# Altium PCB MU2_M.PcbDoc (part 1 of 2) (continued)
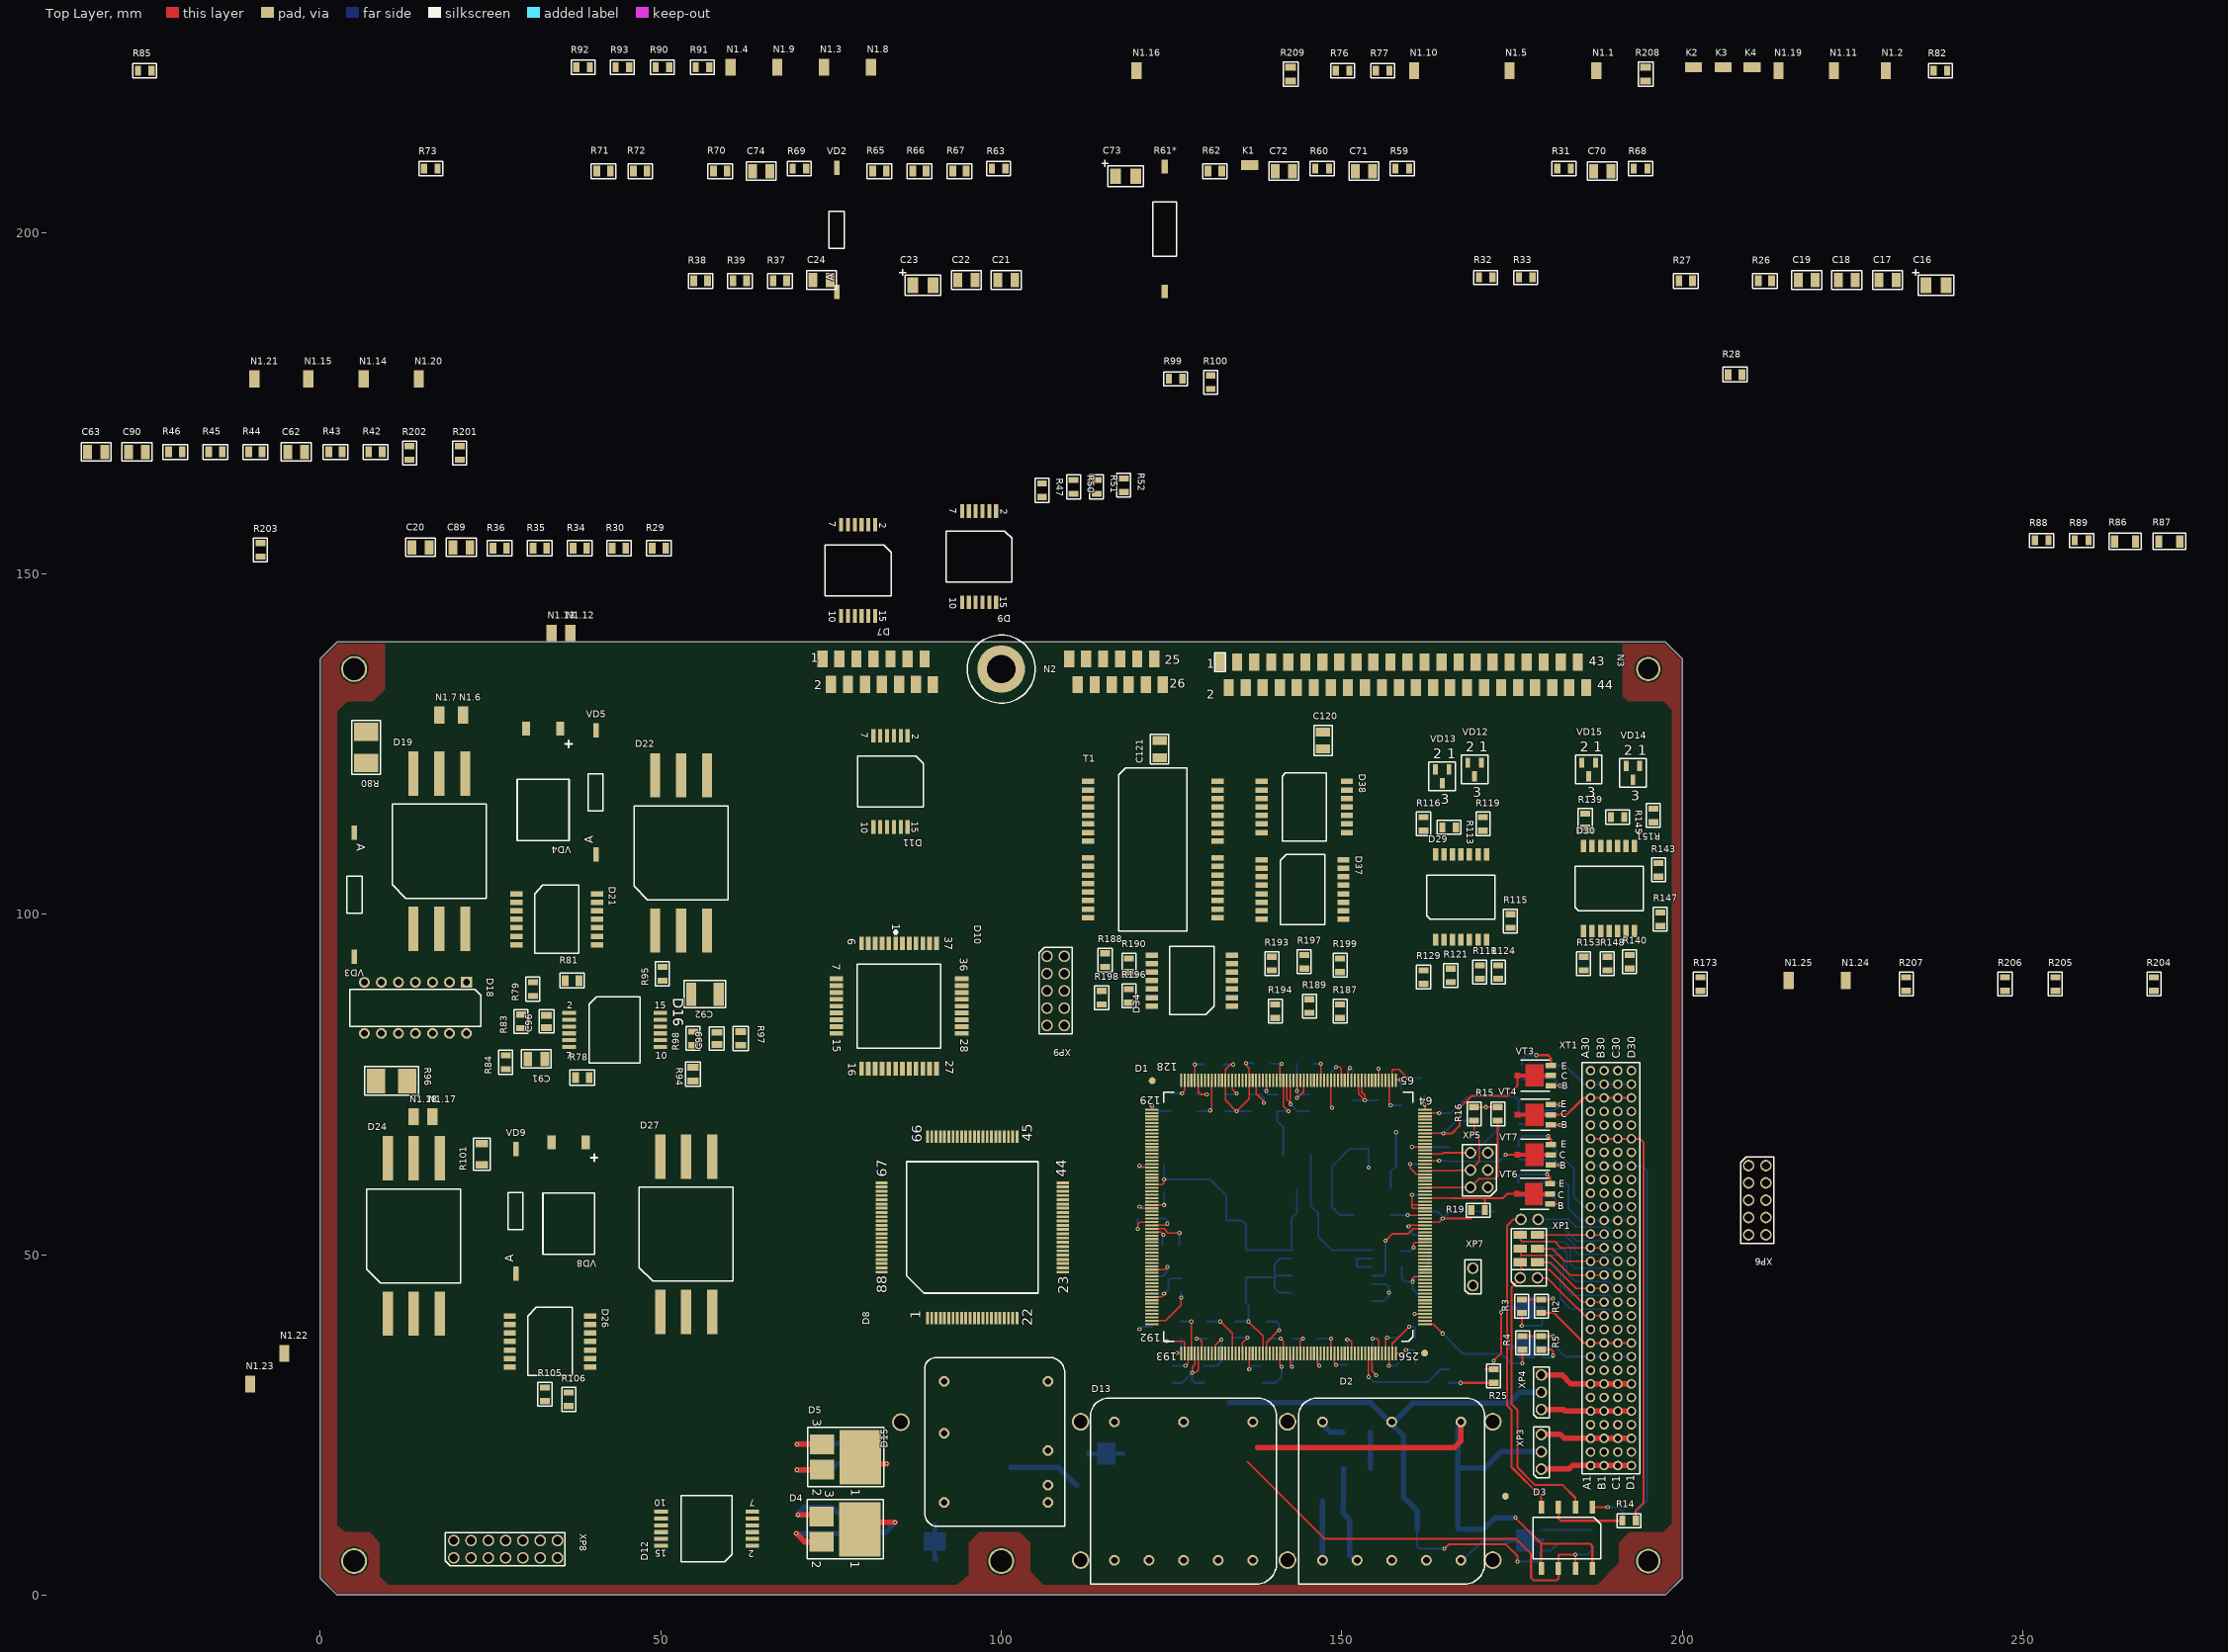
[diagram p0: Top Layer view]
## Components (designator, comment, footprint, x,y, rotation, side; value= is the part's Value field where it differs from the comment)
C1 "PartNumber" K53_56A_TYPE4 164.085,9.71 r180 bottom
C2 "PartNumber" K1047V_3 163.085,18.71 r0 bottom
C3 "PartNumber" K53_56A_TYPE2 148.675,13.8 r0 bottom
C4 "PartNumber" K1017V_5 149.175,9.05 r180 bottom
C5 "PartNumber" K1047V_1 152.3,18.55 r180 bottom
C6 "PartNumber" K1047V_1 152.175,23.925 r0 bottom
C7 "PartNumber" K53_56A_TYPE2 77.275,10.525 r90 bottom
C8 "PartNumber" K1017V_5 72.775,11.025 r270 bottom
C9 "PartNumber" K53_56A_TYPE2 81.15,10.525 r90 bottom
C10 "PartNumber" K53_56A_TYPE2 77.4,20.775 r90 bottom
C11 "PartNumber" K1017V_5 72.65,20.275 r270 bottom
C12 "PartNumber" K53_56A_TYPE2 81.275,20.775 r90 bottom
C13 "PartNumber" K1017V_5 135.925,48.8 r270 bottom
C14 "PartNumber" K1017V_6 143.425,64.675 r0 bottom
C15 "PartNumber" K1017V_5 155.975,65.55 r180 bottom
C16 "PartNumber" K53_56A_TYPE2 237.258,192.376 r0 top
C17 "PartNumber" K1017V_4 230.133,193.126 r0 top
C18 "PartNumber" K1017V_4 224.133,193.126 r0 top
C19 "PartNumber" K1017V_4 218.258,193.126 r0 top
C20 "PartNumber" K1017V_4 14.758,153.876 r0 top
C21 "PartNumber" K1017V_4 100.757,193.126 r0 top
C22 "PartNumber" K1017V_4 94.882,193.126 r0 top
C23 "PartNumber" K53_56A_TYPE2 88.507,192.376 r0 top
C24 "PartNumber" K1017V_4 73.632,193.126 r0 top
C25 "PartNumber" K1017V_4 162.8,51.675 r90 bottom
C26 "PartNumber" K1017V_4 155.3,73.925 r90 bottom
C27 "PartNumber" K1017V_4 151.675,73.925 r90 bottom
C28 "PartNumber" K1017V_4 145.175,72.3 r90 bottom
C29 "PartNumber" K1017V_4 144.675,78.05 r180 bottom
C30 "PartNumber" K1017V_4 136.675,72.3 r90 bottom
C31 "PartNumber" K1017V_4 132.8,72.3 r90 bottom
C32 "PartNumber" K1017V_4 128.675,72.3 r90 bottom
C33 "PartNumber" K1017V_4 121.3,55.3 r0 bottom
C34 "PartNumber" K1017V_4 124.925,51.425 r180 bottom
C35 "PartNumber" K1017V_4 130.3,38.925 r270 bottom
C36 "PartNumber" K1017V_4 129.8,32.425 r90 bottom
C37 "PartNumber" K1017V_4 134.425,38.925 r270 bottom
C38 "PartNumber" K1017V_4 139.05,38.925 r270 bottom
C39 "PartNumber" K1017V_4 150.8,35.05 r90 bottom
C40 "PartNumber" K1017V_4 154.55,35.05 r90 bottom
C41 "PartNumber" K1017V_4 162.925,42.55 r270 bottom
C42 "PartNumber" K1017V_4 158.8,49.425 r90 bottom
C43 "PartNumber" K1017V_4 162.8,57.55 r270 bottom
C44 "PartNumber" K1017V_4 162.3,64.55 r90 bottom
C45 "PartNumber" K1017V_4 148.425,73.925 r90 bottom
C46 "PartNumber" K1017V_4 138.3,78.05 r0 bottom
C47 "PartNumber" K1017V_4 140.55,72.3 r90 bottom
C48 "PartNumber" K1017V_4 131.425,77.925 r180 bottom
C49 "PartNumber" K1017V_4 122.675,63.05 r0 bottom
C50 "PartNumber" K1017V_4 122.675,59.175 r180 bottom
C51 "PartNumber" K1017V_4 122.05,45.55 r270 bottom
C52 "PartNumber" K1017V_4 138.425,32.425 r90 bottom
C53 "PartNumber" K1017V_4 142.8,36.425 r270 bottom
C54 "PartNumber" K1017V_4 146.425,36.425 r270 bottom
C55 "PartNumber" K1017V_4 159.55,34.05 r180 bottom
C56 "PartNumber" K1017V_4 162.175,74.55 r90 bottom
C57 "PartNumber" K1017V_4 158.675,73.175 r270 bottom
C58 "PartNumber" K1017V_4 124.925,72.425 r90 bottom
C59 "PartNumber" K1017V_4 126.425,38.925 r270 bottom
C60 "PartNumber" K1017V_4 125.175,32.425 r90 bottom
C61 "PartNumber" K1017V_4 159.55,37.8 r180 bottom
C62 "PartNumber" K1017V_4 -3.493,167.877 r0 top
C63 "PartNumber" K1017V_4 -32.869,167.877 r0 top
C64 "PartNumber" K1017V_4 89.5,116 r180 bottom
C65 "PartNumber" K1047V_3 101.5,14.75 r270 bottom
C66 "PartNumber" K1017V_4 84.25,124.5 r0 bottom
C67 "PartNumber" K1017V_4 83.75,119.75 r180 bottom
C68 "PartNumber" K1017V_5 95.75,33 r90 bottom
C69 "PartNumber" K1017V_5 95.75,24.75 r90 bottom
C70 "PartNumber" K1017V_4 188.255,209.127 r0 top
C71 "PartNumber" K1017V_4 153.255,209.127 r0 top
C72 "PartNumber" K1017V_4 141.505,209.127 r0 top
C73 "PartNumber" K53_56A_TYPE2 118.255,208.377 r0 top
C74 "PartNumber" K1017V_4 64.754,209.127 r0 top
C75 "PartNumber" K1017V_4 95.75,40 r0 bottom
C76 "PartNumber" K1017V_4 109,53.75 r90 bottom
C77 "PartNumber" K53_56A_TYPE2 95.75,44 r0 bottom
C78 "PartNumber" K1017V_4 89.75,67.25 r180 bottom
C79 "PartNumber" K53_56A_TYPE2 82.5,54 r90 bottom
C80 "PartNumber" K1017V_4 86.25,54.25 r90 bottom
C81 "PartNumber" K53_56A_TYPE2 105.25,53.5 r90 bottom
C82 "PartNumber" K1017V_4 96.25,67.25 r0 bottom
C83 "PartNumber" K53_56A_TYPE2 89.75,64 r180 bottom
C84 "PartNumber" K1017V_5 117.275,9.025 r180 bottom
C85 "PartNumber" K53_56A_TYPE3 117.75,14.75 r0 bottom
C86 "PartNumber" K1047V_3 133.65,19.9 r0 bottom
C87 "PartNumber" K1017V_5 126.525,9.275 r180 bottom
C88 "PartNumber" K53_56A_TYPE3 136.525,9.275 r180 bottom
C89 "PartNumber" K1017V_4 20.758,153.876 r0 top
C90 "PartNumber" K1017V_4 -26.869,167.877 r0 top
C91 "PartNumber" K1017V_4 31.75,78.75 r180 top
C92 "PartNumber" K1017V_5 56.5,88.25 r180 top
C93 "PartNumber" K1017V_4 19.5,86.25 r180 bottom
C94 "PartNumber" K1017V_5 10.5,77.75 r0 bottom
C95 "PartNumber" K1017V_1 13.75,86.25 r180 bottom
C96 "PartNumber" K1017V_1 33.25,84.25 r90 top
C97 "PartNumber" K1017V_4 6.5,95.25 r270 bottom
C98 "PartNumber" K1017V_1 8.75,86.5 r180 bottom
C99 "PartNumber" K1017V_1 58.25,81.75 r90 top
C100 "PartNumber" K1017V_5 163.75,97.75 r90 bottom
C102 "PartNumber" K1017V_5 163.75,112.75 r270 bottom
C104 "PartNumber" K1017V_5 170.25,97.25 r270 bottom
C106 "PartNumber" K1017V_5 170,112.5 r270 bottom
C108 "PartNumber" K1017V_5 186,111.5 r270 bottom
C110 "PartNumber" K1017V_5 193,110.75 r270 bottom
C112 "PartNumber" K1017V_5 185.75,96.25 r270 bottom
C114 "PartNumber" K1017V_5 192.25,95.75 r270 bottom
C120 "PartNumber" K1017V_4 147.25,125.5 r90 top
C121 "PartNumber" K1017V_4 123.25,124.25 r90 top
C122 "PartNumber" K1017V_4 83.5,116 r180 bottom
C123 "PartNumber" K53_56A_TYPE3 101.25,35 r270 bottom
C124 "PartNumber" K53_56A_TYPE3 102.5,25.5 r270 bottom
D1 "PartNumber" 5576XC7TFANCORT 142.175,55.55 r180 top
D2 "PartNumber" SMSA2805S 157.335,15.275 r0 top
D3 "249KP22R" 2101_8_7M 183.05,8.425 r270 top
D4 "PartNumber" 1325_KT_93 77.05,9.675 r270 top
D5 "PartNumber" 1325_KT_93 77.125,20.275 r270 top
D6 "1564TL2" 401_14_5М 148.55,46.925 r180 bottom
D7 "PartNumber" H04_16_1B 79,150.5 r270 top
D8 "PartNumber" 4235_88_1_275 95.75,54 r90 top
D9 "PartNumber" H04_16_1B 96.75,152.5 r270 top
D10 "PartNumber" H14_42_1B 85,86.5 r270 top
D11 "PartNumber" H04_16_1B 83.75,119.5 r270 top
D12 "PartNumber" H04_16_1B 56.75,9.75 r180 top
D13 "PartNumber" SMSA2805S 126.775,15.275 r0 top
D14 "PartNumber" 4153_20_06 85.5,86.25 r90 bottom
D15 "PartNumber" SLH2800S 99.25,22.5 r90 top
D16 "PartNumber" H04_16_1B 43.25,83 r0 top
D17 "PartNumber" 401_14_5М 41,83.5 r180 bottom
D18 "PartNumber" 201_14_10 14,86.25 r270 top
D19 "PartNumber" KT107 17.5,109.25 r90 top
D20 "PartNumber" KT107 15.75,109.25 r90 bottom
D21 "PartNumber" 401_14_5М 34.75,99.25 r0 top
D22 "PartNumber" KT107 53,109 r90 top
D23 "PartNumber" KT107 55.25,109 r90 bottom
D24 "PartNumber" KT107 13.75,52.75 r90 top
D25 "PartNumber" KT107 14.25,53 r90 bottom
D26 "PartNumber" 401_14_5М 33.75,37.25 r0 top
D27 "PartNumber" KT107 53.75,53 r90 top
D28 "PartNumber" KT107 52.5,53 r90 bottom
D29 "PartNumber" 1NT251A 167.5,102.5 r90 top
D30 "PartNumber" 1NT251A 189.25,103.75 r90 top
D34 "PartNumber" 401_14_5М 128,90.25 r180 top
D35 "PartNumber" 2DS627A 119,115.25 r0 bottom
D36 "PartNumber" 1NT251A 119,102.5 r180 bottom
D37 "PartNumber" 2DS627A 144.25,103.5 r0 top
D38 "PartNumber" 1NT251A 144.5,115.75 r0 top
G1 "GK108-P-3" GK108P 154.425,57.8 r90 bottom
K1 "K" K 136.505,210.002 r0 top
K2 "K" K 201.633,224.377 r0 top
K3 "K" K 206.008,224.377 r0 top
K4 "K" K 210.258,224.377 r0 top
N1.1 "K" K 187.383,223.877 r90 top
N1.2 "K" K 229.883,223.877 r90 top
N1.3 "K" K 74.005,224.377 r90 top
N1.4 "K" K 60.255,224.377 r90 top
N1.5 "K" K 174.633,223.877 r90 top
N1.6 "K" K 21,129.25 r90 top
N1.7 "K" K 17.5,129.25 r90 top
N1.8 "K" K 80.88,224.377 r90 top
N1.9 "K" K 67.13,224.377 r90 top
N1.10 "K" K 160.633,223.877 r90 top
N1.11 "K" K 222.258,223.877 r90 top
N1.12 "K" K 36.75,141.25 r90 top
N1.13 "K" K 34,141.25 r90 top
N1.14 "K" K 6.378,178.627 r90 top
N1.15 "K" K -1.747,178.627 r90 top
N1.16 "K" K 119.882,223.877 r90 top
N1.17 "K" K 16.5,70.25 r90 top
N1.18 "K" K 13.75,70.25 r90 top
N1.19 "K" K 214.133,223.877 r90 top
N1.20 "K" K 14.503,178.627 r90 top
N1.21 "K" K -9.622,178.627 r90 top
N1.22 "K" K -5.25,35.5 r90 top
N1.23 "K" K -10.25,31 r90 top
N1.24 "K" K 224.003,90.252 r90 top
N1.25 "K" K 215.628,90.252 r90 top
N2 "PartNumber" KOL26 90.25,127.5 r0 top
N3 "PartNumber" KOL44 159.025,135.15 r0 top
R1 "PartNumber" R1_112_W125 172.3,32.175 r90 bottom
R2 "PartNumber" R1_112_W125 179.3,42.425 r90 top
R3 "PartNumber" R1_112_W125 176.425,42.425 r90 top
R4 "PartNumber" R1_112_W125 176.55,37.05 r270 top
R5 "PartNumber" R1_112_W125 179.3,37.05 r270 top
R6 "PartNumber" R1_112_W125 169.55,70.675 r270 bottom
R7 "PartNumber" R1_112_W125 179.225,76.8 r270 bottom
R8 "PartNumber" R1_112_W125 176.425,76.8 r270 bottom
R9 "PartNumber" R1_112_W125 175.9,70.15 r90 bottom
R10 "PartNumber" R1_112_W125 179.05,70.175 r90 bottom
R11 "PartNumber" R1_112_W125 183.55,8.55 r90 bottom
R12 "PartNumber" R1_112_W125 186.675,8.55 r90 bottom
R13 "PartNumber" R1_112_W125 192.175,10.55 r0 bottom
R14 "PartNumber" R1_112_W125 192.175,10.925 r0 top
R15 "PartNumber" R1_112_W125 172.925,70.675 r90 top
R16 "PartNumber" R1_112_W125 169.425,70.675 r90 top
R17 "PartNumber" R1_112_W125 173.05,70.675 r90 bottom
R18 "PartNumber" R1_112_W125 144.425,59.55 r180 bottom
R19 "PartNumber" R1_112_W125 170.025,56.525 r0 top
R20 "PartNumber" R1_112_W125 179.05,59.55 r270 bottom
R21 "PartNumber" R1_112_W125 175.925,59.55 r270 bottom
R22 "PartNumber" R1_112_W125 165.675,64.8 r270 bottom
R23 "PartNumber" R1_112_W125 179.05,64.925 r270 bottom
R24 "PartNumber" R1_112_W125 175.925,64.925 r270 bottom
R25 "PartNumber" R1_112_W125 172.3,32.175 r270 top
R26 "PartNumber" R1_8MP_0W125 211.133,193.001 r0 top
R27 "PartNumber" R1_8MP_0W125 199.508,193.001 r0 top
R28 "PartNumber" R1_8MP_0W125 206.75,179.25 r0 top
R29 "PartNumber" R1_8MP_0W125 48.758,153.751 r0 top
R30 "PartNumber" R1_8MP_0W125 42.883,153.751 r0 top
R31 "PartNumber" R1_112_W125 182.63,209.502 r0 top
R32 "PartNumber" R1_112_W125 171.133,193.501 r0 top
R33 "PartNumber" R1_112_W125 177.008,193.501 r0 top
R34 "PartNumber" R1_8MP_0W125 37.133,153.751 r0 top
R35 "PartNumber" R1_8MP_0W125 31.258,153.751 r0 top
R36 "PartNumber" R1_8MP_0W125 25.383,153.751 r0 top
R37 "PartNumber" R1_8MP_0W125 66.507,193.001 r0 top
R38 "PartNumber" R1_8MP_0W125 54.882,193.001 r0 top
R39 "PartNumber" R1_8MP_0W125 60.632,193.001 r0 top
R40 "PartNumber" R1_112_W125 86.75,17 r270 bottom
R41 "PartNumber" R1_112_W125 91,17.25 r270 bottom
R42 "PartNumber" R1_8MP_0W125 7.132,167.877 r0 top
R43 "PartNumber" R1_8MP_0W125 1.257,167.877 r0 top
R44 "PartNumber" R1_8MP_0W125 -10.493,167.877 r0 top
R45 "PartNumber" R1_8MP_0W125 -16.369,167.877 r0 top
R46 "PartNumber" R1_8MP_0W125 -22.244,167.877 r0 top
R47 "PartNumber" R1_112_W125 106,162.25 r270 top
R48 "PartNumber" R1_8MP_0W125 89.5,119.25 r180 bottom
R49 "PartNumber" R1_8MP_0W125 80.5,122.5 r180 bottom
R50 "PartNumber" R1_112_W125 110.631,162.752 r270 top
R51 "PartNumber" R1_112_W125 114,162.75 r270 top
R52 "PartNumber" R1_112_W125 118,163 r270 top
R53 "PartNumber" R1_8MP_0W125 89.25,109.25 r180 bottom
R54 "PartNumber" R1_8MP_0W125 90.25,122.5 r180 bottom
R55 "PartNumber" R1_8MP_0W125 84.25,112.8 r180 bottom
R56 "PartNumber" R1_8MP_0W125 80,126.5 r180 bottom
R57 "PartNumber" R1_8MP_0W125 84,110 r180 bottom
R58 "PartNumber" R1_8MP_0W125 89.75,112.75 r180 bottom
R59 "PartNumber" R1_112_W125 158.88,209.502 r0 top
R60 "PartNumber" R1_112_W125 147.13,209.502 r0 top
R61* "PartNumber" C2_29V_0W125 124.005,200.627 r90 top
R62 "PartNumber" R1_8MP_0W125 130.38,209.127 r0 top
R63 "PartNumber" R1_112_W125 99.63,209.502 r0 top
R65 "PartNumber" R1_8MP_0W125 81.129,209.127 r0 top
R66 "PartNumber" R1_8MP_0W125 87.004,209.127 r0 top
R67 "PartNumber" R1_8MP_0W125 92.879,209.127 r0 top
R68 "PartNumber" R1_112_W125 193.88,209.502 r0 top
R69 "PartNumber" R1_112_W125 70.379,209.502 r0 top
R70 "PartNumber" R1_8MP_0W125 57.754,209.127 r0 top
R71 "PartNumber" R1_8MP_0W125 40.629,209.127 r0 top
R72 "PartNumber" R1_8MP_0W125 46.004,209.127 r0 top
R73 "PartNumber" R1_112_W125 16.254,209.502 r0 top
R74 "PartNumber" R1_112_W125 125.15,21.15 r270 bottom
R75 "PartNumber" R1_112_W125 122.025,21.15 r90 bottom
R76 "PartNumber" R1_112_W125 150.133,223.877 r0 top
R77 "PartNumber" R1_112_W125 156.008,223.877 r0 top
R78 "PartNumber" R1_8MP_0W125 37.5,76 r0 top
R79 "PartNumber" R1_112_W125 31.25,89 r90 top
R80 "PartNumber" R2_105_2W0 6.75,124.5 r270 top
R81 "PartNumber" R1_8MP_0W125 36,90.25 r0 top
R82 "PartNumber" R1_112_W125 237.883,223.877 r0 top
R83 "PartNumber" R1_112_W125 29.5,84.25 r90 top
R84 "PartNumber" R1_112_W125 27.25,78.25 r90 top
R85 "PartNumber" R1_112_W125 -25.744,223.877 r0 top
R86 "PartNumber" R1_112_W25 265.006,154.752 r0 top
R87 "PartNumber" R1_112_W25 271.506,154.752 r0 top
R88 "PartNumber" R1_112_W125 252.756,154.877 r0 top
R89 "PartNumber" R1_112_W125 258.631,154.877 r0 top
R90 "PartNumber" R1_112_W125 50.255,224.377 r0 top
R91 "PartNumber" R1_112_W125 56.13,224.377 r0 top
R92 "PartNumber" R1_112_W125 38.63,224.377 r0 top
R93 "PartNumber" R1_112_W125 44.38,224.377 r0 top
R94 "PartNumber" R1_8MP_0W125 54.75,77.5 r270 top
R95 "PartNumber" R1_112_W125 50.25,91.25 r90 top
R96 "PartNumber" R2_105_2W0 10.5,75.5 r0 top
R97 "PartNumber" R1_8MP_0W125 61.75,82.75 r270 top
R98 "PartNumber" R1_112_W125 54.75,81.75 r90 top
R99 "PartNumber" R1_112_W125 125.629,178.627 r0 top
R100 "PartNumber" R1_112_W125 130.754,178.127 r90 top
R101 "PartNumber" R1_112_W25 23.75,64.75 r90 top
R102 "PartNumber" R1_112_W25 24.25,64.75 r90 bottom
R103 "PartNumber" R1_112_W125 27.5,38.5 r90 bottom
R104 "PartNumber" R1_112_W125 40.75,38.25 r90 bottom
R105 "PartNumber" R1_112_W125 33,29.5 r90 top
R106 "PartNumber" R1_112_W125 36.5,28.75 r90 top
R107 "PartNumber" R1_112_W125 167.25,104.75 r270 bottom
R108 "PartNumber" R1_112_W125 163.25,104.25 r90 bottom
R111 "PartNumber" R1_112_W125 170.25,91.5 r90 top
R113 "PartNumber" R1_112_W125 165.75,112.75 r0 top
R115 "PartNumber" R1_112_W125 174.75,99 r90 top
R116 "PartNumber" R1_112_W125 162,113.25 r90 top
R119 "PartNumber" R1_112_W125 170.75,113.25 r90 top
R121 "PartNumber" R1_112_W125 166,91 r90 top
R123 "PartNumber" R1_112_W125 163,119 r90 bottom
R124 "PartNumber" R1_112_W125 173,91.5 r90 top
R127 "PartNumber" R1_112_W125 174,118.75 r90 bottom
R129 "PartNumber" R1_112_W125 162,90.75 r90 top
R131 "PartNumber" R1_112_W125 170.25,119.25 r90 bottom
R132 "PartNumber" R1_112_W125 166.75,119.5 r90 bottom
R135 "PartNumber" R1_112_W125 171.25,104.5 r90 bottom
R137 "PartNumber" R1_112_W125 174.5,104 r90 bottom
R139 "PartNumber" R1_112_W125 185.75,113.75 r90 top
R140 "PartNumber" R1_112_W125 192.25,93 r90 top
R143 "PartNumber" R1_112_W125 196.5,106.5 r90 top
R145 "PartNumber" R1_112_W125 190.5,114.25 r0 top
R147 "PartNumber" R1_112_W125 196.75,99.25 r90 top
R148 "PartNumber" R1_112_W125 189,92.75 r90 top
R151 "PartNumber" R1_112_W125 195.75,114.5 r270 top
R153 "PartNumber" R1_112_W125 185.5,92.75 r90 top
R155 "PartNumber" R1_112_W125 191,104 r90 bottom
R156 "PartNumber" R1_112_W125 194.25,118.25 r90 bottom
R159 "PartNumber" R1_112_W125 184,118.25 r90 bottom
R161 "PartNumber" R1_112_W125 191.25,118.5 r90 bottom
R163 "PartNumber" R1_112_W125 194.25,104 r90 bottom
R164 "PartNumber" R1_112_W125 183.75,104 r90 bottom
R167 "PartNumber" R1_112_W125 187.5,118.25 r90 bottom
R169 "PartNumber" R1_112_W125 187,104 r90 bottom
R170 "PartNumber" R1_112_W125 126.425,45.55 r90 bottom
R171 "PartNumber" R1_112_W125 122.175,38.425 r90 bottom
R172 "PartNumber" R1_112_W125 165.8,32.175 r270 bottom
R173 "PartNumber" R1_112_W125 202.628,89.752 r90 top
R187 "PartNumber" R1_112_W125 149.75,85.75 r90 top
R188 "PartNumber" R1_112_W125 115.25,93.25 r90 top
R189 "PartNumber" R1_112_W125 145.25,86.5 r90 top
R190 "PartNumber" R1_112_W125 118.75,92.5 r90 top
R191 "PartNumber" R1_112_W125 148.75,125.25 r90 bottom
R192 "PartNumber" R1_112_W125 123,123.25 r90 bottom
R193 "PartNumber" R1_112_W125 139.75,92.75 r90 top
R194 "PartNumber" R1_112_W125 140.25,85.75 r90 top
R195 "PartNumber" R1_112_W125 129,98.25 r90 bottom
R196 "PartNumber" R1_112_W125 118.75,88 r90 top
R197 "PartNumber" R1_112_W125 144.5,93 r90 top
R198 "PartNumber" R1_112_W125 114.75,87.75 r90 top
R199 "PartNumber" R1_112_W125 149.75,92.5 r90 top
R200 "PartNumber" R1_112_W125 129.25,105.5 r90 bottom
R201 "PartNumber" R1_112_W125 20.507,167.752 r90 top
R202 "PartNumber" R1_112_W125 13.132,167.752 r90 top
R203 "PartNumber" R1_112_W125 -8.75,153.5 r90 top
R204 "PartNumber" R1_112_W125 269.253,89.752 r90 top
R205 "PartNumber" R1_112_W125 254.753,89.752 r90 top
R206 "PartNumber" R1_112_W125 247.378,89.752 r90 top
R207 "PartNumber" R1_112_W125 232.878,89.752 r90 top
R208 "PartNumber" R1_8MP_0W125 194.633,222.377 r90 top
R209 "PartNumber" R1_8MP_0W125 142.508,222.377 r90 top
T1 "PartNumber" BTI9 122.25,109.5 r0 top
T2 "PartNumber" BTI9 141.25,109 r180 bottom
VD1 "2D510A" 2D510A_P 139.8,55.05 r180 bottom
VD2 "PartNumber" 2S222G 75.879,200.627 r90 top
VD3 "PartNumber" 2S222G 5,102.75 r270 top
VD4 "PartNumber" 2D212A_PL 32.75,120 r270 top
VD5 "PartNumber" 2S222G 40.5,118 r90 top
VD6 "PartNumber" 2D212A_PL 32.75,120.25 r90 bottom
VD7 "PartNumber" 2S222G 39,119.25 r90 bottom
VD8 "PartNumber" 2D212A_PL 36.5,59.25 r270 top
VD9 "PartNumber" 2S222G 28.75,56.5 r90 top
VD10 "PartNumber" 2D212A_PL 36.5,58 r270 bottom
VD11 "PartNumber" 2S222G 28,56.5 r90 bottom
VD12 "2D707AC9" 2D707AC9 169.5,121.25 r0 top
VD13 "2D707AC9" 2D707AC9 164.75,120.25 r0 top
VD14 "2D707AC9" 2D707AC9 192.75,120.75 r0 top
VD15 "2D707AC9" 2D707AC9 186.25,121.25 r0 top
VT1 "2T665A91" 2T665A91 177.175,42.175 r180 bottom
VT2 "2T665A91" 2T665A91 177.175,36.425 r180 bottom
VT3 "2T665A91" 2T665A91 178.425,76.3 r180 top
VT4 "2T665A91" 2T665A91 178.425,70.55 r180 top
VT5 "2T665A91" 2T665A91 177.05,8.05 r180 bottom
VT6 "2T665A91" 2T665A91 178.3,58.925 r180 top
VT7 "2T665A91" 2T665A91 178.425,64.675 r180 top
VT8 "2T665A91" 2T665A91 90.25,8 r270 bottom
VT9 "2T665A91" 2T665A91 115.525,20.775 r180 bottom
XP1 "PartNumber" SNP346_2_8P 177.475,49.75 r0 top
XP2 "PartNumber" SNP346_2_8P 177.575,52.025 r0 bottom
XP3 "SNP346-3VP21-1" SNP346_1_3 179.3,21.05 r90 top
XP4 "SNP346-3VP21-1" SNP346_1_3 179.3,29.8 r90 top
XP5 "SNP346-6VP21-2" SNP346_2_6 170.175,62.425 r90 top
XP6 "SNP346-10VP21" SNP346_2_10 211,58 r270 top
XP7 "PartNumber" SNP346_1_2 169.25,46.75 r90 top
XP8 "PartNumber" snp346_2_14 27.25,6.75 r0 top
XP9 "PartNumber" SNP346_2_10 108,88.75 r270 top
XT1 "SNP388-120PP21" SNP388_120 186.525,19.025 r90 top locked

## Footprints (in the part's own frame and the unit in brackets; to place one, negate y for a bottom-side part, rotate by r counter-clockwise, add the part's x,y. Pads: shape width x height; smd on the part's side, far side on the other; paste and mask are expansions set on the pad)
1NT251A [mm]
  rect 1.8x0.8 smd: 1(-6.25,3.75) 2(-6.25,2.5) 3(-6.25,1.25) 4(-6.25,0) 5(-6.25,-1.25) 6(-6.25,-2.5) 7(-6.25,-3.75) 8(6.25,-3.75) 9(6.25,-2.5) 10(6.25,-1.25) 11(6.25,0) 12(6.25,1.25) 13(6.25,2.5) 14(6.25,3.75)
  silkscreen extent -3.25,-5 3.25,5
2D212A_PL [mm]
  rect 2x1.2 smd: minus(-7.25,-2.5) plus(-7.25,2.5)
  silkscreen extent -5.5,-3.8 9.2,4.25
2D510A_P [mm]
  rect 2x0.8 smd: Minus(6.75,0) Plus(-6.75,0)
  silkscreen extent -5.63,-1 1.78,1.37
2D707AC9 [mm] "М=0,01г, пластмассовый корпус, без прокладки,ручная пайка"
  rect 0.7x1.5 smd: 1(1,1) 2(-1,1) 3(0,-1)
  silkscreen extent -1.95,-2.1 1.95,2.1
2DS627A [mm]
  rect 1.8x0.8 smd: 1(-6,4.5) 2(-6,3.25) 3(-6,2) 4(-6,0.75) 5(-6,-0.5) 6(-6,-1.75) 7(-6,-3) 8(-6,-4.25) 9(6,-4.25) 10(6,-3) 11(6,-1.75) 12(6,-0.5) 13(6,0.75) 14(6,2) 15(6,3.25) 16(6,4.5)
  silkscreen extent -3.25,-5 3.25,5.25
2S222G [mm] "m_0,2g;"
  rect 2.1x0.8 smd: A(-9.25,0) C(9,0)
  silkscreen extent -2.85,-1.05 2.6,1.15
2T665A91 [mm] "корпус 4601.3-1"
  rect 1.5x0.8 smd: B(-2.28,1.5) C(-2.28,0) E(-2.28,-1.5)
  Top Layer region: -2.63,-0.275 -0.93,-0.275 -0.93,0.275 -2.63,0.275
  Top Layer region: 0.87,-0.275 2.22,-0.28 2.22,-0.4 3,-0.4 3,0.4 2.22,0.4 2.22,0.275 0.87,0.275
  Top Layer region: -1.2,-1.6 1.4,-1.6 1.4,1.6 -1.2,1.6
  silkscreen extent -2.13,-2.3 2.12,2.3
201_14_10 [mm] "1401CA1MM"
  rect 1.6x1.6 hole 1: 1(-3.75,7.5)
  round 1.6 hole 1: 2(-3.75,5) 3(-3.75,2.5) 4(-3.75,0) 5(-3.75,-2.5) 6(-3.75,-5) 7(-3.75,-7.5) 8(3.75,-7.5) 9(3.75,-5) 10(3.75,-2.5) 11(3.75,0) 12(3.75,2.5) 13(3.75,5) 14(3.75,7.5)
  silkscreen extent -2.7,-9.6 2.7,9.6
401_14_5М [mm] "44.3209.125.08(1564ТЛ2)"
  rect 1.8x0.8 smd: 1(-5.9,3.75) 2(-5.9,2.5) 3(-5.9,1.25) 4(-5.9,0) 5(-5.9,-1.25) 6(-5.9,-2.5) 7(-5.9,-3.75) 8(5.9,-3.75) 9(5.9,-2.5) 10(5.9,-1.25) 11(5.9,0) 12(5.9,1.25) 13(5.9,2.5) 14(5.9,3.75)
  silkscreen extent -3.25,-5 3.25,5
1325_KT_93 [mm]
  rect 8x6.1 smd: 1(0,2.175)
  rect 2.9x3.5 smd: 2(1.85,-3.425) 3(-1.85,-3.425)
  silkscreen extent -4.38,-5.5 4.38,5.63
2101_8_7M [mm]
  rect 1.9x0.8 smd: 1(-4.5,3.75) 2(-4.5,1.25) 3(-4.5,-1.25) 4(-4.5,-3.75) 5(4.5,-3.75) 6(4.5,-1.25) 7(4.5,1.25) 8(4.5,3.75)
  silkscreen extent -3,-5 3.1,5
4153_20_06 [mm] "1564ИР33Т ЭП"
  rect 1.8x0.8 smd: 1(-9.5,5.625) 2(-9.5,4.375) 3(-9.5,3.125) 4(-9.5,1.875) 5(-9.5,0.625) 6(-9.5,-0.625) 7(-9.5,-1.875) 8(-9.5,-3.125) 9(-9.5,-4.375) 10(-9.5,-5.625) 11(9.5,-5.625) 12(9.5,-4.375) 13(9.5,-3.125) 14(9.5,-1.875) 15(9.5,-0.625) 16(9.5,0.625) 17(9.5,1.875) 18(9.5,3.125) 19(9.5,4.375) 20(9.5,5.625)
  silkscreen extent -6,-6.5 6,6.5
4235_88_1_275 [mm] "1874ВЕ7Т   m4.5g"
  rect 1.8x0.42 smd: 1(-13.3,6.562) 2(-13.3,5.937) 3(-13.3,5.312) 4(-13.3,4.687) 5(-13.3,4.062) 6(-13.3,3.437) 7(-13.3,2.812) 8(-13.3,2.187) 9(-13.3,1.562) 10(-13.3,0.937) 11(-13.3,0.312) 12(-13.3,-0.312) 13(-13.3,-0.937) 14(-13.3,-1.562) 15(-13.3,-2.187) 16(-13.3,-2.812) 17(-13.3,-3.437) 18(-13.3,-4.062) 19(-13.3,-4.687) 20(-13.3,-5.312) 21(-13.3,-5.937) 22(-13.3,-6.562) 45(13.3,-6.562) 46(13.3,-5.937) 47(13.3,-5.312) 48(13.3,-4.687) 49(13.3,-4.062) 50(13.3,-3.437) 51(13.3,-2.812) 52(13.3,-2.187) 53(13.3,-1.562) 54(13.3,-0.937) 55(13.3,-0.312) 56(13.3,0.312) 57(13.3,0.937) 58(13.3,1.562) 59(13.3,2.187) 60(13.3,2.812) 61(13.3,3.437) 62(13.3,4.062) 63(13.3,4.687) 64(13.3,5.312) 65(13.3,5.937) 66(13.3,6.562)
  rect 0.42x1.8 smd: 23(-6.562,-13.3) 24(-5.937,-13.3) 25(-5.312,-13.3) 26(-4.687,-13.3) 27(-4.062,-13.3) 28(-3.437,-13.3) 29(-2.812,-13.3) 30(-2.187,-13.3) 31(-1.562,-13.3) 32(-0.937,-13.3) 33(-0.312,-13.3) 34(0.312,-13.3) 35(0.937,-13.3) 36(1.562,-13.3) 37(2.187,-13.3) 38(2.812,-13.3) 39(3.437,-13.3) 40(4.062,-13.3) 41(4.687,-13.3) 42(5.312,-13.3) 43(5.937,-13.3) 44(6.562,-13.3) 67(6.562,13.3) 68(5.937,13.3) 69(5.312,13.3) 70(4.687,13.3) 71(4.062,13.3) 72(3.437,13.3) 73(2.812,13.3) 74(2.187,13.3) 75(1.562,13.3) 76(0.937,13.3) 77(0.312,13.3) 78(-0.312,13.3) 79(-0.937,13.3) 80(-1.562,13.3) 81(-2.187,13.3) 82(-2.812,13.3) 83(-3.437,13.3) 84(-4.062,13.3) 85(-4.687,13.3) 86(-5.312,13.3) 87(-5.937,13.3) 88(-6.562,13.3)
  silkscreen extent -9.65,-9.65 9.65,9.65
5576XC7TFANCORT [mm]
  round 1 smd mask+1: 0(-20,20) 0(20,-20)
  rect 2x0.3 smd: 1(-20.05,15.75) 2(-20.05,15.25) 3(-20.05,14.75) 4(-20.05,14.25) 5(-20.05,13.75) 6(-20.05,13.25) 7(-20.05,12.75) 8(-20.05,12.25) 9(-20.05,11.75) 10(-20.05,11.25) 11(-20.05,10.75) 12(-20.05,10.25) 13(-20.05,9.75) 14(-20.05,9.25) 15(-20.05,8.75) 16(-20.05,8.25) 17(-20.05,7.75) 18(-20.05,7.25) 19(-20.05,6.75) 20(-20.05,6.25) 21(-20.05,5.75) 22(-20.05,5.25) 23(-20.05,4.75) 24(-20.05,4.25) 25(-20.05,3.75) 26(-20.05,3.25) 27(-20.05,2.75) 28(-20.05,2.25) 29(-20.05,1.75) 30(-20.05,1.25) 31(-20.05,0.75) 32(-20.05,0.25) 33(-20.05,-0.25) 34(-20.05,-0.75) 35(-20.05,-1.25) 36(-20.05,-1.75) 37(-20.05,-2.25) 38(-20.05,-2.75) 39(-20.05,-3.25) 40(-20.05,-3.75) 41(-20.05,-4.25) 42(-20.05,-4.75) 43(-20.05,-5.25) 44(-20.05,-5.75) 45(-20.05,-6.25) 46(-20.05,-6.75) 47(-20.05,-7.25) 48(-20.05,-7.75) 49(-20.05,-8.25) 50(-20.05,-8.75) 51(-20.05,-9.25) 52(-20.05,-9.75) 53(-20.05,-10.25) 54(-20.05,-10.75) 55(-20.05,-11.25) 56(-20.05,-11.75) 57(-20.05,-12.25) 58(-20.05,-12.75) 59(-20.05,-13.25) 60(-20.05,-13.75) 61(-20.05,-14.25) 62(-20.05,-14.75) 63(-20.05,-15.25) 64(-20.05,-15.75) 129(20.05,-15.75) 130(20.05,-15.25) 131(20.05,-14.75) 132(20.05,-14.25) 133(20.05,-13.75) 134(20.05,-13.25) 135(20.05,-12.75) 136(20.05,-12.25) 137(20.05,-11.75) 138(20.05,-11.25) 139(20.05,-10.75) 140(20.05,-10.25) 141(20.05,-9.75) 142(20.05,-9.25) 143(20.05,-8.75) 144(20.05,-8.25) 145(20.05,-7.75) 146(20.05,-7.25) 147(20.05,-6.75) 148(20.05,-6.25) 149(20.05,-5.75) 150(20.05,-5.25) 151(20.05,-4.75) 152(20.05,-4.25) 153(20.05,-3.75) 154(20.05,-3.25) 155(20.05,-2.75) 156(20.05,-2.25) 157(20.05,-1.75) 158(20.05,-1.25) 159(20.05,-0.75) 160(20.05,-0.25) 161(20.05,0.25) 162(20.05,0.75) 163(20.05,1.25) 164(20.05,1.75) 165(20.05,2.25) 166(20.05,2.75) 167(20.05,3.25) 168(20.05,3.75) 169(20.05,4.25) 170(20.05,4.75) 171(20.05,5.25) 172(20.05,5.75) 173(20.05,6.25) 174(20.05,6.75) 175(20.05,7.25) 176(20.05,7.75) 177(20.05,8.25) 178(20.05,8.75) 179(20.05,9.25) 180(20.05,9.75) 181(20.05,10.25) 182(20.05,10.75) 183(20.05,11.25) 184(20.05,11.75) 185(20.05,12.25) 186(20.05,12.75) 187(20.05,13.25) 188(20.05,13.75) 189(20.05,14.25) 190(20.05,14.75) 191(20.05,15.25) 192(20.05,15.75)
  rect 0.3x2 smd: 65(-15.75,-20.05) 66(-15.25,-20.05) 67(-14.75,-20.05) 68(-14.25,-20.05) 69(-13.75,-20.05) 70(-13.25,-20.05) 71(-12.75,-20.05) 72(-12.25,-20.05) 73(-11.75,-20.05) 74(-11.25,-20.05) 75(-10.75,-20.05) 76(-10.25,-20.05) 77(-9.75,-20.05) 78(-9.25,-20.05) 79(-8.75,-20.05) 80(-8.25,-20.05) 81(-7.75,-20.05) 82(-7.25,-20.05) 83(-6.75,-20.05) 84(-6.25,-20.05) 85(-5.75,-20.05) 86(-5.25,-20.05) 87(-4.75,-20.05) 88(-4.25,-20.05) 89(-3.75,-20.05) 90(-3.25,-20.05) 91(-2.75,-20.05) 92(-2.25,-20.05) 93(-1.75,-20.05) 94(-1.25,-20.05) 95(-0.75,-20.05) 96(-0.25,-20.05) 97(0.25,-20.05) 98(0.75,-20.05) 99(1.25,-20.05) 100(1.75,-20.05) 101(2.25,-20.05) 102(2.75,-20.05) 103(3.25,-20.05) 104(3.75,-20.05) 105(4.25,-20.05) 106(4.75,-20.05) 107(5.25,-20.05) 108(5.75,-20.05) 109(6.25,-20.05) 110(6.75,-20.05) 111(7.25,-20.05) 112(7.75,-20.05) 113(8.25,-20.05) 114(8.75,-20.05) 115(9.25,-20.05) 116(9.75,-20.05) 117(10.25,-20.05) 118(10.75,-20.05) 119(11.25,-20.05) 120(11.75,-20.05) 121(12.25,-20.05) 122(12.75,-20.05) 123(13.25,-20.05) 124(13.75,-20.05) 125(14.25,-20.05) 126(14.75,-20.05) 127(15.25,-20.05) 128(15.75,-20.05) 193(15.75,20.05) 194(15.25,20.05) 195(14.75,20.05) 196(14.25,20.05) 197(13.75,20.05) 198(13.25,20.05) 199(12.75,20.05) 200(12.25,20.05) 201(11.75,20.05) 202(11.25,20.05) 203(10.75,20.05) 204(10.25,20.05) 205(9.75,20.05) 206(9.25,20.05) 207(8.75,20.05) 208(8.25,20.05) 209(7.75,20.05) 210(7.25,20.05) 211(6.75,20.05) 212(6.25,20.05) 213(5.75,20.05) 214(5.25,20.05) 215(4.75,20.05) 216(4.25,20.05) 217(3.75,20.05) 218(3.25,20.05) 219(2.75,20.05) 220(2.25,20.05) 221(1.75,20.05) 222(1.25,20.05) 223(0.75,20.05) 224(0.25,20.05) 225(-0.25,20.05) 226(-0.75,20.05) 227(-1.25,20.05) 228(-1.75,20.05) 229(-2.25,20.05) 230(-2.75,20.05) 231(-3.25,20.05) 232(-3.75,20.05) 233(-4.25,20.05) 234(-4.75,20.05) 235(-5.25,20.05) 236(-5.75,20.05) 237(-6.25,20.05) 238(-6.75,20.05) 239(-7.25,20.05) 240(-7.75,20.05) 241(-8.25,20.05) 242(-8.75,20.05) 243(-9.25,20.05) 244(-9.75,20.05) 245(-10.25,20.05) 246(-10.75,20.05) 247(-11.25,20.05) 248(-11.75,20.05) 249(-12.25,20.05) 250(-12.75,20.05) 251(-13.25,20.05) 252(-13.75,20.05) 253(-14.25,20.05) 254(-14.75,20.05) 255(-15.25,20.05) 256(-15.75,20.05)
  silkscreen extent -18.3,-18.31 18.3,18.29
BTI9 [mm] "inst 34 form 44.3023.193.26 massa 3 prokl -62"
  rect 1.8x0.8 smd: 1(-9.5,10) 2(-9.5,8.75) 3(-9.5,7.5) 4(-9.5,6.25) 5(-9.5,5) 6(-9.5,3.75) 7(-9.5,2.5) 8(-9.5,1.25) 9(-9.5,-1.25) 10(-9.5,-2.5) 11(-9.5,-3.75) 12(-9.5,-5) 13(-9.5,-6.25) 14(-9.5,-7.5) 15(-9.5,-8.75) 16(-9.5,-10) 17(9.5,-10) 18(9.5,-8.75) 19(9.5,-7.5) 20(9.5,-6.25) 21(9.5,-5) 22(9.5,-3.75) 23(9.5,-2.5) 24(9.5,-1.25) 25(9.5,1.25) 26(9.5,2.5) 27(9.5,3.75) 28(9.5,5) 29(9.5,6.25) 30(9.5,7.5) 31(9.5,8.75) 32(9.5,10)
  silkscreen extent -5,-12 5,12
C2_29V_0W125 [mm] "0.3"
  rect 2x0.9 smd: 1(-9.15,0) 2(9.15,0)
  silkscreen extent -4,-1.75 4,1.75
GK108P [mm]
  rect 2x2.3 smd: 1(2,-2.75) 2(2,2.75) 3(-2,2.75) 4(-2,-2.75)
  silkscreen extent -3.6,-4.82 4.06,4.35
H04_16_1B [mm] "крыло чайки ОСТ 11 073.063-84,m<1g"
  rect 2x0.6 smd: 2(-6.7,2.5) 3(-6.7,1.5) 4(-6.7,0.5) 5(-6.7,-0.5) 6(-6.7,-1.5) 7(-6.7,-2.5) 10(6.7,-2.5) 11(6.7,-1.5) 12(6.7,-0.5) 13(6.7,0.5) 14(6.7,1.5) 15(6.7,2.5)
  silkscreen extent -3.75,-4.85 3.75,4.86
H14_42_1B [mm] "Form 44и.3268.193  Install 46б massa 1.5, прокладка СЛИЮ.754141.245"
  rect 2x0.7 smd: 1(-9.2,-0.5) 2(-9.2,-1.5) 3(-9.2,-2.5) 4(-9.2,-3.5) 5(-9.2,-4.5) 6(-9.2,-5.5) 16(9.2,-5.5) 17(9.2,-4.5) 18(9.2,-3.5) 19(9.2,-2.5) 20(9.2,-1.5) 21(9.2,-0.5) 22(9.2,0.5) 23(9.2,1.5) 24(9.2,2.5) 25(9.2,3.5) 26(9.2,4.5) 27(9.2,5.5) 37(-9.2,5.5) 38(-9.2,4.5) 39(-9.2,3.5) 40(-9.2,2.5) 41(-9.2,1.5) 42(-9.2,0.5)
  rect 0.7x2 smd: 7(-4,-9.2) 8(-3,-9.2) 9(-2,-9.2) 10(-1,-9.2) 11(0,-9.2) 12(1,-9.2) 13(2,-9.2) 14(3,-9.2) 15(4,-9.2) 28(4,9.2) 29(3,9.2) 30(2,9.2) 31(1,9.2) 32(0,9.2) 33(-1,9.2) 34(-2,9.2) 35(-3,9.2) 36(-4,9.2)
  silkscreen extent -11.22,-6.15 6.15,6.15
K [mm]
  rect 2.5x1.5 smd: 1(0,0)
  body extent -1.25,-0.85 1.25,0.85, height 0.25
K53_56A_TYPE2 [mm]
  rect 1.6x2.3 smd: minus(1.5,0) plus(-1.5,0)
  silkscreen extent -3.5,-1.5 2.6,2.38
K53_56A_TYPE3 [mm]
  rect 2.4x2.3 smd: minus(2.5,0) plus(-2.5,0)
  silkscreen extent -4.87,-1.75 4,2.7
K53_56A_TYPE4 [mm]
  rect 2.4x3.3 smd: Minus(3,0) Plus(-3,0)
  silkscreen extent -4.5,-2.5 4.5,2.5
K1017V_1 [mm] "massa 0.1gr"
  rect 1x1.6 smd: 1(-0.9,0) 2(0.9,0)
  silkscreen extent -1.7,-1.1 1.7,1.1
K1017V_4 [mm]
  rect 1.3x2.1 smd: 1(-1.25,0) 2(1.25,0)
  silkscreen extent -2.2,-1.35 2.2,1.35
K1017V_5 [mm]
  rect 1.5x3.4 smd: 1(-2,0) 2(2,0)
  silkscreen extent -3.05,-2 3.05,2
K1017V_6 [mm]
  rect 1.5x3.4 smd: 1(-2,0) 2(2,0)
  silkscreen extent -3.05,-2 3.05,2
K1047V_1 [mm]
  rect 1.4x3.4 smd: 1(-2.05,0) 2(2.05,0)
  silkscreen extent -3.1,-2 3.1,2
K1047V_3 [mm] "3 type"
  rect 1.8x7 smd: 1(-4,0) 2(4,0)
  silkscreen extent -5.35,-3.95 5.35,3.95
KOL26 [mm]
  rect 1.5x2.5 smd: 1(-16.5,10) 2(-15.25,6.25) 3(-14,10) 4(-12.75,6.25) 5(-11.5,10) 6(-10.25,6.25) 7(-9,10) 8(-7.75,6.25) 9(-6.5,10) 10(-5.25,6.25) 11(-4,10) 12(-2.75,6.25) 13(-1.5,10) 14(-0.275,6.225) 15(19.725,9.975) 16(20.975,6.225) 17(22.225,9.975) 18(23.475,6.225) 19(24.725,9.975) 20(25.975,6.225) 21(27.225,9.975) 22(28.475,6.225) 23(29.725,9.975) 24(30.975,6.225) 25(32.225,9.975) 26(33.475,6.225)
KOL44 [mm]
  rect 1.5x2.5 smd: 1(-26.875,1.875) 2(-25.625,-1.875) 3(-24.375,1.875) 4(-23.125,-1.875) 5(-21.875,1.875) 6(-20.625,-1.875) 7(-19.375,1.875) 8(-18.125,-1.875) 9(-16.875,1.875) 10(-15.625,-1.875) 11(-14.375,1.875) 12(-13.125,-1.875) 13(-11.875,1.875) 14(-10.625,-1.875) 15(-9.375,1.875) 16(-8.125,-1.875) 17(-6.875,1.875) 18(-5.625,-1.875) 19(-4.375,1.875) 20(-3.125,-1.875) 21(-1.875,1.875) 22(-0.625,-1.875) 23(0.625,1.875) 24(1.875,-1.875) 25(3.125,1.875) 26(4.375,-1.875) 27(5.625,1.875) 28(6.875,-1.875) 29(8.125,1.875) 30(9.375,-1.875) 31(10.625,1.875) 32(11.875,-1.875) 33(13.125,1.875) 34(14.375,-1.875) 35(15.625,1.875) 36(16.875,-1.875) 37(18.125,1.875) 38(19.375,-1.875) 39(20.625,1.875) 40(21.875,-1.875) 41(23.125,1.875) 42(24.375,-1.875) 43(25.625,1.875) 44(26.875,-1.875)
  silkscreen extent -27.67,0.52 -26.07,3.21
KT107 [mm] "postavka_formovannaya(249КП23Т_ручная_пайка)"
  rect 6.5x1.5 smd: 1(-11.4,3.81) 2(-11.4,0) 3(-11.4,-3.81) 4(11.4,-3.81) 5(11.4,0) 6(11.4,3.81)
  silkscreen extent -6.9,-6.9 6.9,6.9
R1_8MP_0W125 [mm]
  rect 1x1.6 smd: 1(0,0) 2(2,0)
  silkscreen extent -0.8,-1.1 2.8,1.1
R1_112_W25 [mm]
  rect 1.05x1.8 smd: 1(-1.55,0) 2(1.55,0)
  silkscreen extent -2.37,-1.2 2.37,1.2
R1_112_W125 [mm]
  rect 0.9x1.45 smd: 1(-1,0) 2(1,0)
  silkscreen extent -1.75,-1.02 1.75,1.02
R2_105_2W0 [mm] "m=0.15, корпус2515"
  rect 2.7x3.6 smd: 1(-2.3,0) 2(2.3,0)
  silkscreen extent -3.95,-2.1 3.95,2.1
SLH2800S [mm] "SLH2805D/HP, dvch2800d"
  round 1.6 hole 1: 1(-8.89,-7.62) 2(-6.35,-7.62) 3(-1.27,-7.62) 4(8.89,-7.62) 5(8.89,7.62) 6(1.27,7.62) 7(-8.89,7.62)
  silkscreen extent -12.39,-10.07 12.41,10.47
SMSA2805S [mm]
  round 1.6 hole 1: 1(-10.16,-10.16) 2(-5.08,-10.16) 3(0,-10.16) 4(5.08,-10.16) 5(10.16,-10.16) 6(10.16,10.16) 7(0,10.16) 8(-10.16,10.16)
  silkscreen extent -13.66,-13.66 13.64,13.65
SNP346_1_2 [mm]
  round 1.7 hole 1.2: 1(-1.27,0) 2(1.27,0)
  silkscreen extent -2.54,-1.18 2.51,1.2
SNP346_1_3 [mm]
  round 1.7 hole 1.2: 1(-2.54,0) 2(0,0) 3(2.54,0)
  silkscreen extent -3.81,-1.18 3.68,1.14, body extent -3.8,-1.17 3.7,1.15, height 6.2
SNP346_2_6 [mm]
  round 1.7 hole 1.2: 1(-2.54,-1.27) 2(-2.54,1.27) 3(0,-1.27) 4(0,1.27) 5(2.54,-1.27) 6(2.54,1.27)
  silkscreen extent -3.81,-2.52 3.77,2.45, body extent -3.85,-2.5 3.77,2.4, height 6.2
SNP346_2_8P [mm]
  round 1.7 hole 1.2: 1(-1.275,-3.15) 2(1.265,-3.15)
  rect 2x1.2 smd: 3(-1.275,-0.85) 4(1.275,-0.85) 5(-1.275,1.15) 6(1.275,1.15) 7(-1.275,3.15) 8(1.275,3.15)
  silkscreen extent -2.57,-4.35 2.6,4.1, body extent -2.58,-4.38 2.6,3.85, height 6.2
SNP346_2_10 [mm]
  round 1.7 hole 1.2: 1(-5.08,-1.27) 2(-5.08,1.27) 3(-2.54,-1.27) 4(-2.54,1.27) 5(0,-1.27) 6(0,1.27) 7(2.54,-1.27) 8(2.54,1.27) 9(5.08,-1.27) 10(5.08,1.27)
  silkscreen extent -6.36,-2.45 6.35,2.45
snp346_2_14 [mm]
  round 1.7 hole 1.2: 1(-7.62,-1.27) 2(-7.62,1.27) 3(-5.08,-1.27) 4(-5.08,1.27) 5(-2.54,-1.27) 6(-2.54,1.27) 7(0,-1.27) 8(0,1.27) 9(2.54,-1.27) 10(2.54,1.27) 11(5.08,-1.27) 12(5.08,1.27) 13(7.62,-1.27) 14(7.62,1.27)
  silkscreen extent -8.89,-2.45 8.73,2.45, body extent -8.9,-2.45 8.7,2.45, height 6.2
SNP388_120 [mm] "переходник с кожухом m=21g"
  round 1.4 hole 0.9: 1(0,0) 2(2,0) 3(4,0) 4(6,0) 5(8,0) 6(10,0) 7(12,0) 8(14,0) 9(16,0) 10(18,0) 11(20,0) 12(22,0) 13(24,0) 14(26,0) 15(28,0) 16(30,0) 17(32,0) 18(34,0) 19(36,0) 20(38,0) 21(40,0) 22(42,0) 23(44,0) 24(46,0) 25(48,0) 26(50,0) 27(52,0) 28(54,0) 29(56,0) 30(58,0) 31(0,-2) 32(2,-2) 33(4,-2) 34(6,-2) 35(8,-2) 36(10,-2) 37(12,-2) 38(14,-2) 39(16,-2) 40(18,-2) 41(20,-2) 42(22,-2) 43(24,-2) 44(26,-2) 45(28,-2) 46(30,-2) 47(32,-2) 48(34,-2) 49(36,-2) 50(38,-2) 51(40,-2) 52(42,-2) 53(44,-2) 54(46,-2) 55(48,-2) 56(50,-2) 57(52,-2) 58(54,-2) 59(56,-2) 60(58,-2) 61(0,-4) 62(2,-4) 63(4,-4) 64(6,-4) 65(8,-4) 66(10,-4) 67(12,-4) 68(14,-4) 69(16,-4) 70(18,-4) 71(20,-4) 72(22,-4) 73(24,-4) 74(26,-4) 75(28,-4) 76(30,-4) 77(32,-4) 78(34,-4) 79(36,-4) 80(38,-4) 81(40,-4) 82(42,-4) 83(44,-4) 84(46,-4) 85(48,-4) 86(50,-4) 87(52,-4) 88(54,-4) 89(56,-4) 90(58,-4) 91(0,-6) 92(2,-6) 93(4,-6) 94(6,-6) 95(8,-6) 96(10,-6) 97(12,-6) 98(14,-6) 99(16,-6) 100(18,-6) 101(20,-6) 102(22,-6) 103(24,-6) 104(26,-6) 105(28,-6) 106(30,-6) 107(32,-6) 108(34,-6) 109(36,-6) 110(38,-6) 111(40,-6) 112(42,-6) 113(44,-6) 114(46,-6) 115(48,-6) 116(50,-6) 117(52,-6) 118(54,-6) 119(56,-6) 120(58,-6)
  silkscreen extent -1.2,-7.25 59.2,1.25, body extent -3.16,-8.65 61.14,2.65, height 9.35